# Altium PCB PowerSupply-Motherboard.PcbDoc (part 1 of 2) (continued)
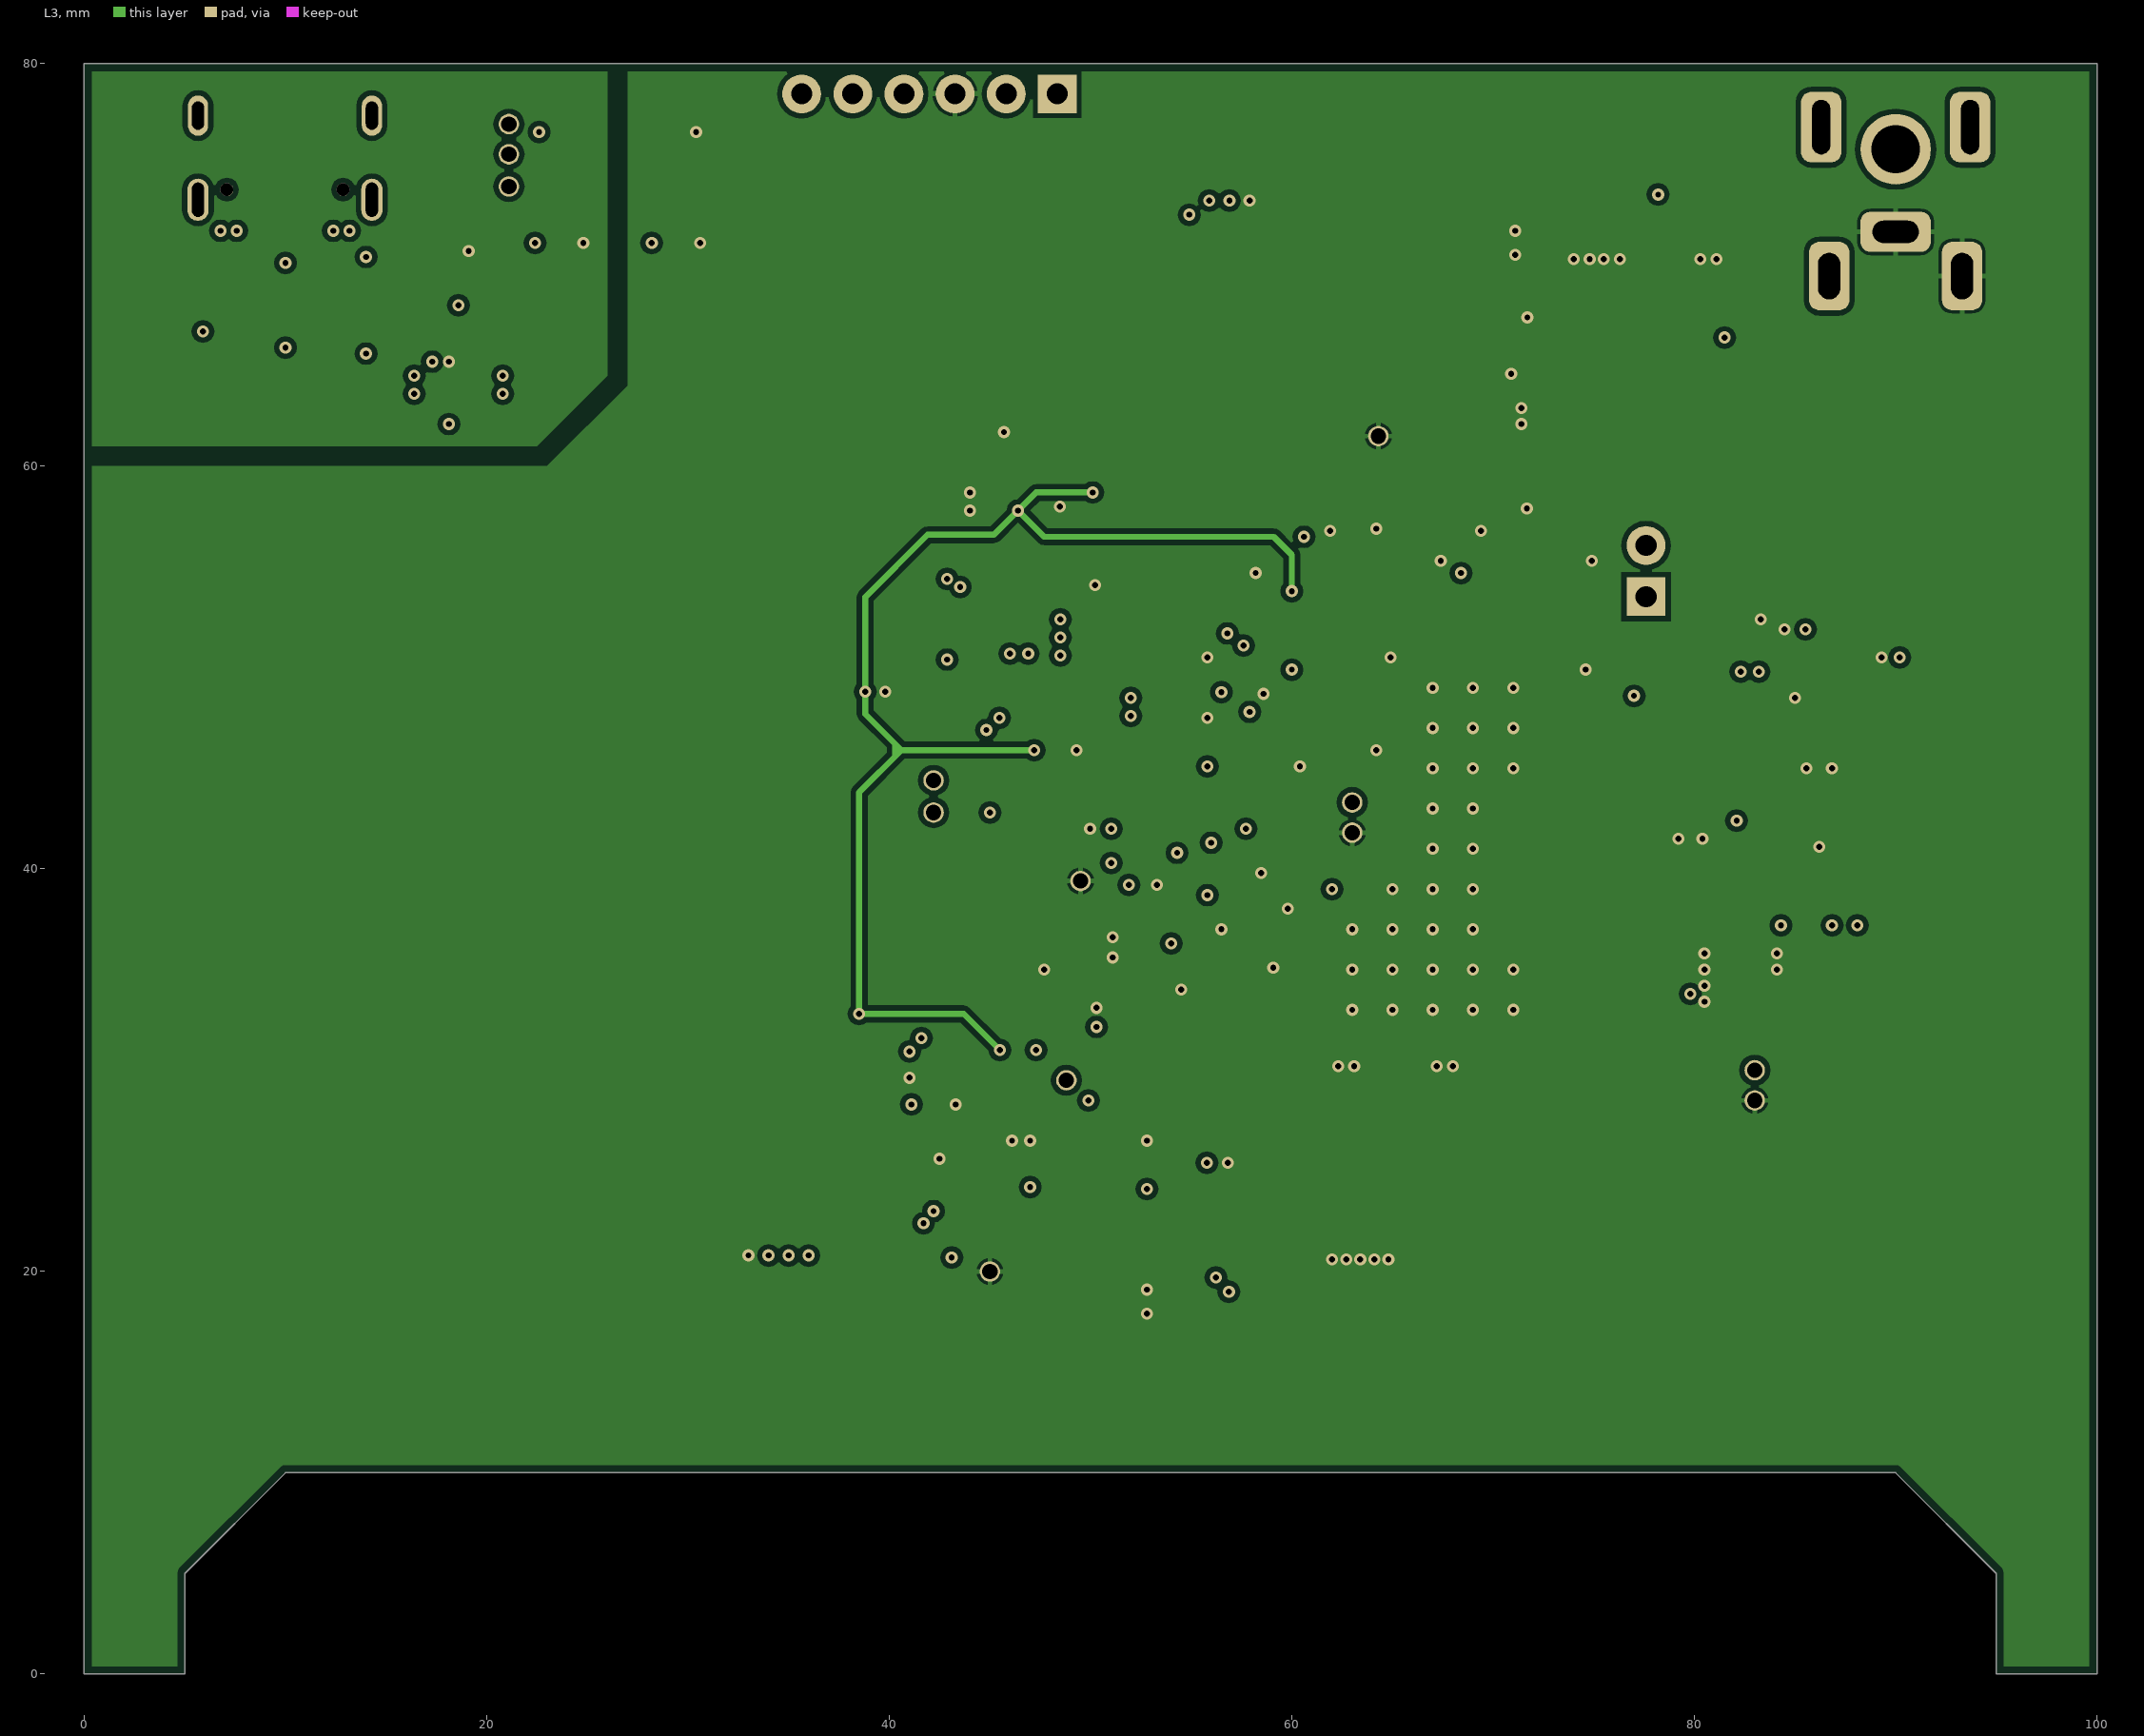
[diagram p3: L3]
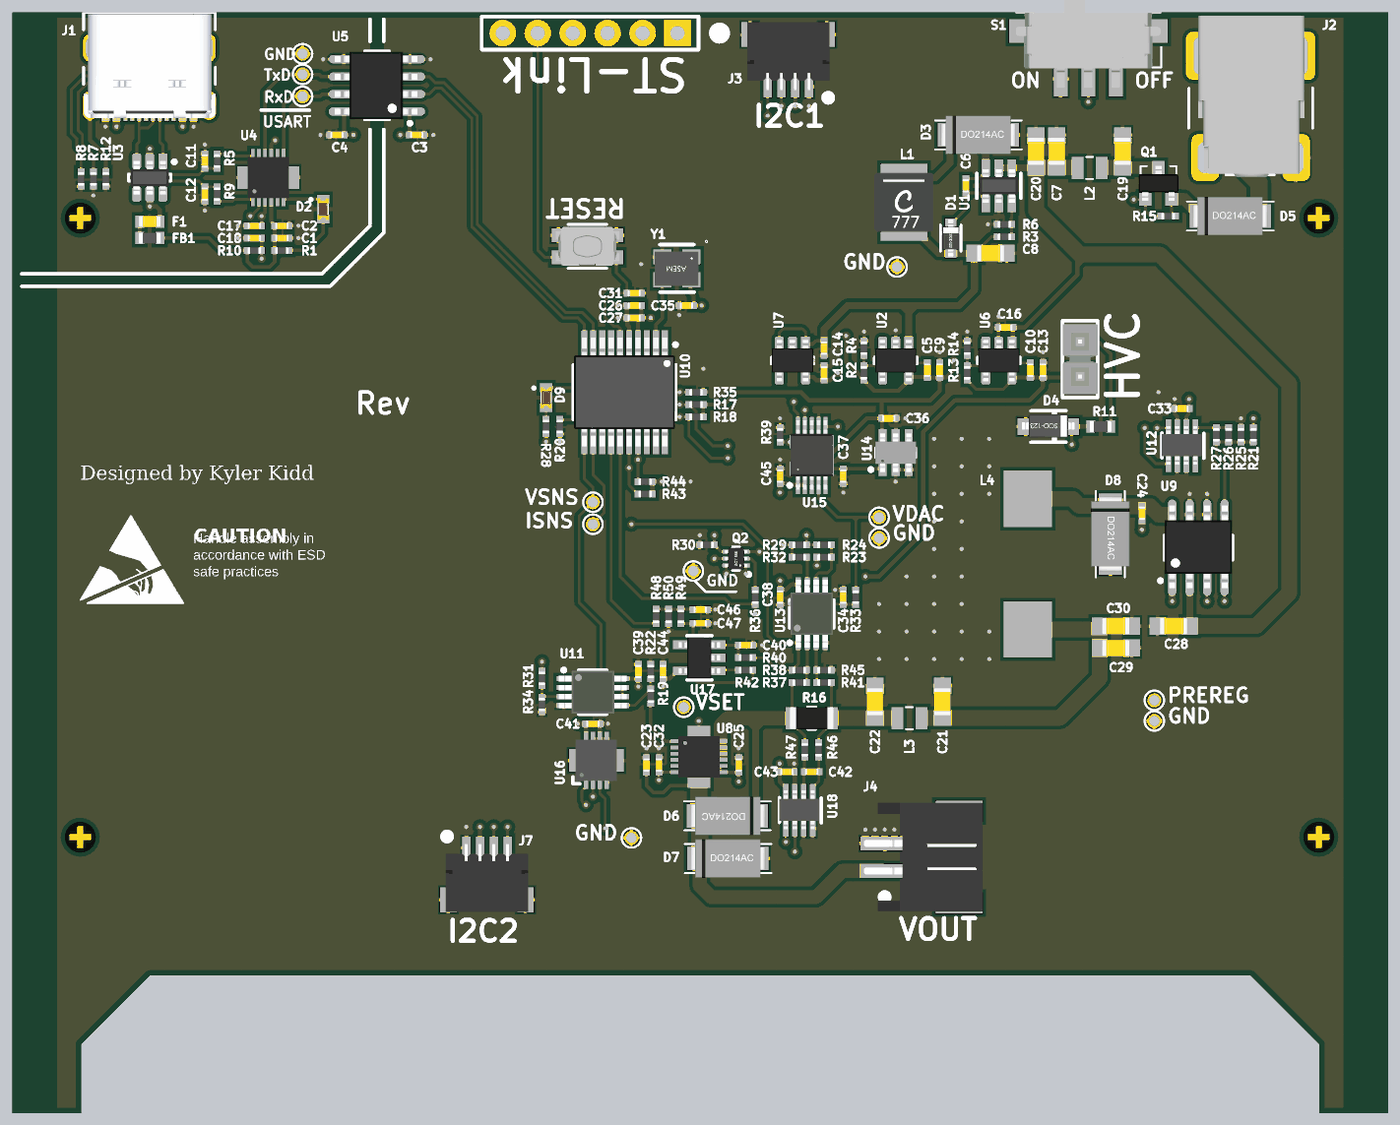
[diagram p5: 3D render of the assembled board from above, using the file's embedded part models]

## Layer stack, top to bottom
Top Solder: solder mask 0.0025, Solder Resist, Dk 0
L1: signal copper 0.0356
Prepeg: dielectric 0.1702, FR408, Dk 3.66
L2: signal copper 0.0178
Core: dielectric 1.1938, FR-4, Dk 3.66
L3: signal copper 0.0178
Prepeg: dielectric 0.1702, FR408, Dk 3.66
L4: signal copper 0.0356
Bottom Solder: solder mask 0.0025, Solder Resist, Dk 0

## Board outline
0,0 0,80 100,80 100,0 95,0 95,5 90,10 10,10 5,5 5,0

## Design rules (kind name [scope] priority, off if disabled: settings)
BoardOutlineClearance [All] p1: gap=0.381 ignorepadtopadclearanceinfootprint=FALSE
Clearance "Clearance Polygons" [InPolygon] p1: gap=0.254 ignorepadtopadclearanceinfootprint=FALSE except(0: Arc-Hole Track-Hole SMDPad-Hole THPad-Hole Via-Hole Fill-Hole Poly-Hole Region-Hole Text-Hole)
Clearance [All] p2: gap=0.127 ignorepadtopadclearanceinfootprint=FALSE except(0: Arc-Hole Track-Hole SMDPad-Hole THPad-Hole Via-Hole Fill-Hole Poly-Hole Region-Hole Text-Hole)
ComponentClearance "HM-TRP & UFL" [InComponent('X1') vs InComponent('U1')] p1: gap=0 collisioncheckmode=3 verticalgap=0 showdistances=FALSE
ComponentClearance [All] p2: gap=0.025 collisioncheckmode=3 verticalgap=0.025 showdistances=FALSE
DiffPairsRouting [All] p1: maxlimit=0.254 minlimit=0.254 mostfreqgap=0.254 toplayer_minwidth=0.152 toplayer_maxwidth=0.381 toplayer_prefwidth=0.381 midlayer1_minwidth=0.152 midlayer1_maxwidth=0.381 midlayer1_prefwidth=0.381 midlayer2_minwidth=0.152 midlayer2_maxwidth=0.381 midlayer2_prefwidth=0.381 bottomlayer_minwidth=0.152 bottomlayer_maxwidth=0.381 bottomlayer_prefwidth=0.381 maxuncoupledlength=12.7
HoleSize [All] p1: absolutevalues=TRUE maxlimit=6.731 minlimit=0.254 maxpercent=80.000 minpercent=20.000
HoleToHoleClearance [All] p1: gap=0.254 allowstackedmicrovias=FALSE
MinimumAnnularRing [All] p1: minimumring=0.102
MinimumSolderMaskSliver [All] p1: minsoldermaskwidth=0
PlaneClearance [All] p1: clearance=0.254
PlaneConnect [All] p1: planeconnectstyle=Relief reliefexpansion=0.102 reliefentries=4 reliefconductorwidth=0.152 reliefairgap=0.152
PolygonConnect "Via connect style" [isVia] p1: connectstyle=Direct reliefconductorwidth=0.254 reliefentries=4 polygonreliefangle="90 Angle" airgapwidth=0.254
PolygonConnect [All] p2: connectstyle=Relief reliefconductorwidth=0.254 reliefentries=4 polygonreliefangle="90 Angle" airgapwidth=0.152
RoutingCorners [All] p1: cornerstyle=45-Degree minsetback=1.25 maxsetback=1.25
RoutingVias [All] p1: holewidth=0.305 width=0.559 viastyle="Through Hole" minholewidth=0.254 minwidth=0.457 maxholewidth=2.54 maxwidth=2.896
SilkToSilkClearance [All] p1: silktosilkclearance=0
SilkToSolderMaskClearance [IsPad] p1: minsilkscreentomaskgap=0.076 clearancetoexposedcopper=TRUE
SolderMaskExpansion [All] p1: expansion=0.064
Width GND [InNet('GND')] p1: maxlimit=0.762 minlimit=0.203 preferedwidth=0.508
Width Power [InNetClass('Power')] p2: maxlimit=1.016 minlimit=0.508 preferedwidth=0.762
Width 3V3 [InNetClass('3V3')] p3: maxlimit=0.762 minlimit=0.254 preferedwidth=0.508
Width [All] p4: maxlimit=10.16 minlimit=0.152 preferedwidth=0.203
20 further rules are at their usual default settings.

## Classes and differential pairs
component class "USB to UART PHY": C2 C3 C4 C11 C12 C17 C18 D2 R1 R5 R9 R10 U4 U5
component class "USB Interface": F1 FB1 J1 R7 R8 R12 U3
component class "System Power Preregulator": C6 C7 D1 D3 L1 R3 R6 U1
component class "STM32 MCU": C1 C26 C27 C31 C35 C41 D9 J3 J6 J7 R17 R18 R28 R35 R43 R44 S2 U10 U16 Y1
component class "Power Supply Output and Control": C21 C22 C23 C24 C25 C29 C30 C32 C34 C36 C37 C38 C39 C40 C42 C43 C44 C45 C46 C47 D6 D7 J4 L3 Q2 R16 R19 R22 R23 R24 R29 R30 R31 R32 R33 R34 R36 R37 R38 R39 R40 R41 R42 R45 R46 R47 R48 R49 R50 TP1 TP2 TP3 TP4 U8 U11 U13 U14 U15 U17 U18
component class "Power Input": C19 C20 D5 J2 L2 Q1 R15 S1
component class "Output Preregulator": C28 C33 D8 L4 R20 R21 R25 R26 R27 U12
component class HVC: D4 J5 R11
component class "Analog VDD": C10 C13 C16 R13 R14 U6
component class "5.0V Regulator": C5 C8 C9 R2 R4 U2
component class "3.3V Regulator": C14 C15 U7
differential pair USB: +USB_P -USB_N

## Components (designator, comment, footprint, x,y, rotation, side; value= is the part's Value field where it differs from the comment)
C1 "2.2uF" 0402 19.6,63.6 r180 top
C2 "0.1uF" 0402 19.6,64.5 r180 top
C3 "0.1uF" 0402 29.4,71.1 r180 top
C4 "0.1uF" 0402 23.6,71.1 r0 top
C5 "0.01uF" 0402 66.5,54 r90 top
C6 "0.01uF" 0402 69.3,67.4 r270 top
C7 "22uF" 0805 75.9,69.9 r270 top
C8 "22uF" 0805 71.1,62.5 r180 top
C9 "2.2uF" 0402 67.4,54 r270 top
C10 "0.01uF" 0402 74,54 r90 top
C11 "47pF" 0402 14,69.2 r270 top
C12 "47pF" 0402 14,66.8 r90 top
C13 "2.2uF" 0402 74.9,54 r270 top
C14 "2.2uF" 0402 59,55.6 r90 top
C15 "2.2uF" 0402 59,53.8 r270 top
C16 "2.2uF" 0402 72.2,57.1 r0 top
C17 "0.1uF" 0402 17.6,64.5 r0 top
C18 "0.1uF" 0402 17.6,63.6 r0 top
C19 "22uF" 0805 80.7,69.9 r270 top
C20 "22uF" 0805 74.4,69.9 r270 top
C21 "22uF" 0805 67.6,29.9 r270 top
C22 "22uF" 0805 62.7,29.9 r270 top
C23 "2.2uF" 0402 46.1,25.3 r270 top
C24 "0.1uF" 0402 82.1,43.6 r270 top
C25 "2.2uF" 0402 52.8,25.3 r270 top
C26 "2.2uF" 0402 45.2,58.7 r0 top
C27 "0.1uF" 0402 45.2,57.8 r0 top
C28 "22uF" 0805 84.4,35.4 r0 top
C29 "22uF" 0805 80.2,33.8 r180 top
C30 "22uF" 0805 80.2,35.4 r180 top
C31 "0.1uF" 0402 45.2,59.6 r180 top
C32 "0.01uF" 0402 47,25.3 r270 top
C33 "0.1uF" 0402 85,51.2 r0 top
C34 "0.1uF" 0402 60.4,37.5 r270 top
C35 "0.01uF" 0402 49,58.7 r0 top
C36 "2.2uF" 0402 63.7,50.5 r180 top
C37 "DNP" 0402 60.4,46.3 r90 top
C38 "0.1uF" 0402 55.8,37.5 r90 top
C39 "0.1uF" 0402 45.5,32.1 r270 top
C40 "0.1uF" 0402 53.3,34 r180 top
C41 "0.1uF" 0402 42.2,28.3 r180 top
C42 "0.1uF" 0402 58.1,24.8 r0 top
C43 "0.1uF" 0402 56.3,24.8 r180 top
C44 "0.1uF" 0402 47.3,32.1 r270 top
C45 "0.1uF" 0402 55.8,46.3 r270 top
C46 "0.1uF" 0402 50,36.6 r180 top
C47 "0.1uF" 0402 50,35.6 r180 top
D1 "1N4148" SOD-323 68.2,63.6 r270 top
D2 "LED_GRN" 0603_LED_Red 22.6,65.7 r90 top
D3 "B240A-13-F" SMA 70.2,71.1 r180 top
D4 "BZT52-B7V5X" SOD-123 75.3,49.9 r0 top
D5 "B240A-13-F" SMA 88.5,65.2 r180 top
D6 "B240A-13-F" SMA 52,21.6 r0 top
D7 "SMAJE12AH" SMA 52,18.5 r180 top
D8 "B240A-13-F" SMA 79.8,42.1 r90 top
D9 "LED_GRN" 0603_LED_Red 38.8,52 r90 top
F1 "500mA PTC" 0603 10,64.8 r180 top
FB1 "Ferrite_Bead" 0603 10,63.6 r0 top
J1 "USB4105-GF-A" USB4105-GF-A 10,76 r180 top
J2 "PJ-047A" PJ-047A 90,74 r270 top
J3 "CCSH-W10R-04TR-BK-A" PCBCOMPONENT_1 59.8,79.3 r180 top
J4 "JST-PH-SMT" JST-PH-SMT 70.5,14.5 r90 top
J5 "TSW-102-xx-L-S" TSW-102-xx-L-S 77.6,54.8 r90 top
J6 "DNP" 801-93-006-10-012000 42,78.5 r180 top
J7 "CCSH-W10R-04TR-BK-A" PCBCOMPONENT_1 31.1,14.6 r0 top
L1 "10uH" XFL4020-xxxMEx 64.8,66.2 r270 top
L2 "2.2uH" 0806AZ 78.3,68.7 r180 top
L3 "2.2uH" 0806AZ 65.2,28.7 r180 top
L4 "10uH" WURTH_WE-LHMI 73.8,39.9 r270 top
Q1 "DMP3056L-7" SOT-23 83.3,67.575 r0 top
Q2 "NPN" SOT-666 52.6,40.3 r180 top
R1 "1k" 0402 19.6,62.7 r180 top
R2 "30.9k" 0402 61.9,53.8 r270 top
R3 "59k" 0402 72.1,63.7 r180 top
R4 "10k" 0402 61.9,55.6 r270 top
R5 "27" 0402 14.9,69.2 r90 top
R6 "10k" 0402 72.1,64.6 r0 top
R7 "5.1k" 0402 5.9,67.9 r90 top
R8 "5.1k" 0402 5,67.9 r90 top
R9 "27" 0402 14.9,66.8 r270 top
R10 "10k" 0402 17.6,62.7 r0 top
R11 "510" 0603 79.1,49.9 r0 top
R12 "0" 0402 6.8,67.9 r90 top
R13 "113k" 0402 69.4,53.8 r270 top
R14 "10k" 0402 69.4,55.6 r270 top
R15 "10k" 0402 84,65.2 r0 top
R16 "0.5" 1206 58.1,28.7 r180 top
R17 "2.7k" 0402 49.7,51.5 r0 top
R18 "2.7k" 0402 49.7,50.6 r0 top
R19 "24k" 0402 46.4,30.3 r270 top
R20 "10k" 0402 39.8,49.9 r90 top
R21 "10k" 0402 90.2,49.3 r90 top
R22 "9.1k" 0402 46.4,32.1 r270 top
R23 "10.2k" 0402 59,40.4 r0 top
R24 "51k" 0402 59,41.3 r180 top
R25 "6.34k" 0402 89.3,49.3 r270 top
R26 "DNP" 0402 88.4,49.3 r270 top
R27 "680" 0402 87.5,49.3 r270 top
R28 "1k" 0402 38.8,49.9 r270 top
R29 "100" 0402 57.2,41.3 r0 top
R30 "1k" 0402 50.5,41.3 r0 top
R31 "24k" 0402 38.5,31.6 r90 top
R32 "1k" 0402 57.2,40.4 r180 top
R33 "1k" 0402 61.3,37.5 r270 top
R34 "10.2k" 0402 38.5,29.7 r90 top
R35 "10k" 0402 49.7,52.4 r0 top
R36 "1k" 0402 54,37.5 r90 top
R37 "51k" 0402 57.2,31.3 r0 top
R38 "51k" 0402 57.2,32.2 r180 top
R39 "10k" 0402 55.8,49.3 r270 top
R40 "1k" 0402 53.3,33.1 r180 top
R41 "51k" 0402 59,31.3 r180 top
R42 "10k" 0402 53.3,32.2 r0 top
R43 "2.7k" 0402 46,45 r0 top
R44 "2.7k" 0402 46,45.9 r0 top
R45 "51k" 0402 59,32.2 r180 top
R46 "10" 0402 58.6,26.4 r270 top
R47 "10" 0402 57.6,26.4 r270 top
R48 "56k" 0402 46.8,36.1 r90 top
R49 "10k" 0402 48.6,36.1 r270 top
R50 "10k" 0402 47.7,36.1 r90 top
S1 "SS312SAH4-R" SW_SS312SAH4-R 78.2,76.7 r270 top
S2 "KMR243GLFG" "KMR 2 SERIES" 41.8,63 r180 top
TP1 "PREREG OUT" "30x40 TP"#1 82.9,29.6 r90 top
TP2 "SET" "30x40 TP"#2 48.8,29.5 r90 top
TP3 "DAC OUT" "30x40 TP"#2 63,43.3 r90 top
TP4 "ISENSE OUT" "30x40 TP"#2 42.2,42.8 r90 top
TP5 "DAC OUT" "30x40 TP"#3 63,44.9 r90 top
TP6 "DAC OUT" "30x40 TP"#2 83,28.5 r90 top
TP7 "ISENSE OUT" "30x40 TP"#2 42.2,44.4 r90 top
TP9 "DAC OUT" "30x40 TP"#4 45,22 r90 top
TP10 "DAC OUT" "30x40 TP"#5 49.5,42.1 r90 top
TP11 "DAC OUT" "30x40 TP"#6 64.5,64.2 r90 top
U1 "LMR12010" TSOT-23-6#1 71.7,67.4 r0 top
U2 "LT1761" SOT23-5 64.2,54.7 r270 top
U3 "USBLC6" SOT-23-6_N 10,68 r270 top
U4 "FT234XD" DFN-12 18.6,68 r0 top
U5 "MAX22421" SOIC-8 26.5,74.7 r180 top
U6 "LT1761" SOT23-5 71.7,54.7 r270 top
U7 "ADP121AUJZ-3.3-R7" SOT23-5 56.7,54.7 r270 top
U8 "LT3083" DFN-12 49.9,25.9 r270 top
U9 "ADP2303" "SOIC-8 EP" 86.2,41.1 r90 top
U10 "STM32G031F6P6" TSSOP-20 44.5,52.4 r270 top
U11 "MCP6L2T" MSOP-8 42.2,30.6 r270 top
U12 "AD5245" TSOT-8 84.999,48.5 r180 top
U13 "ADA4661-2" MSOP-8 58.1,36.3 r0 top
U14 "MCP1501T-20" TSOT-23-6#2 64.2,48 r90 top
U15 "MCP47CVB21" MSOP-10 58.1,47.8 r0 top
U16 "MCP9804" DFN-8 42.434,25.626 r0 top
U17 "MCP6546" TSOT-23-5 52.1,30.8 r90 top
U18 "INA219" TSOT-8 57.2,22 r180 top
Y1 "ASE-12.000-MHZ-E-T" ASE-XXXXX-X-X-X 48.3,61.4 r180 top

## Footprints (in the part's own frame and the unit in brackets; to place one, negate y for a bottom-side part, rotate by r counter-clockwise, add the part's x,y. Pads: shape width x height; smd on the part's side, far side on the other; paste and mask are expansions set on the pad)
"30x40 TP"#1 [mil]
  round 40 hole 30: 1(15.75,-3.94)
"30x40 TP"#2 [mil]
  round 40 hole 30: 1(0,0)
"30x40 TP"#3 [mil]
  round 40 hole 30: 1(-122.05,0)
"30x40 TP"#4 [mil]
  round 40 hole 30: 1(-78.74,0)
"30x40 TP"#5 [mil]
  round 40 hole 30: 1(-106.3,0)
"30x40 TP"#6 [mil]
  round 40 hole 30: 1(-106.3,7.87)
0402 [mm] "Chip Capacitor; Body 1.0 x 0.5 mm (LxW typ)"
  rect 0.5x0.5 smd mask+0.038: 1(-0.525,0) 2(0.525,0)
  body extent -0.5,-0.25 0.5,0.25, height 0.6
0603 [mm] "0603"
  rect 0.65x0.9 smd mask+0.038: 1(-0.725,0) 2(0.725,0)
  body extent -0.8,-0.4 0.8,0.4, height 0.95
0603_LED_Red [mm]
  rect 0.65x0.9 smd mask+0.038: 1(-0.725,0) 2(0.725,0)
  silkscreen extent 0.64,0.83 0.76,0.95, body extent -0.8,-0.4 0.8,0.4, height 0.6
801-93-006-10-012000 [mil] "CONN SOCKET STRIP LOPRO 0.100 PITCH 6POS"
  rect 76x76 hole 41 mask+1.5: 1(-250,0)
  round 76 hole 41 mask+1.5: 2(-150,0) 3(-50,0) 4(50,0) 5(150,0) 6(250,0)
  silkscreen extent -310,-48 310,48, body extent -310,-48 310,48, height 165
0805 [mm] "Chip Capacitor; Body 2.0 x 1.2 mm (LxW typ)"
  rect 1.15x1.25 smd mask+0.038: 1(-1.175,0) 2(1.175,0)
  body extent -1,-0.6 1,0.6, height 1.27
0806AZ [mm] "2.0 X 1.6 MM LOW PROFILE INDUCTOR"
  rect 0.85x1.6 smd mask+0.038: 1(-0.875,0) 2(0.875,0)
  silkscreen extent -0.25,-0.8 0.25,0.8, body extent -1,-0.8 1,0.8, height 1
1206 [mm] "Chip Resistor; Body 3.1 x 1.6 mm (LxW typ)"
  rect 0.9x1.6 smd mask+0.038: 1(-1.45,0) 2(1.45,0)
  silkscreen extent -0.3,-0.8 0.3,0.8, body extent -1.6,-0.8 1.6,0.8, height 0.7
ASE-XXXXX-X-X-X [mil] "OSC XO x.xxxMHZ CMOS SMD"
  rect 51x43 smd mask+1.5: 1(-41.5,-32.5) 2(41.5,-32.5) 3(41.5,32.5) 4(-41.5,32.5)
  silkscreen extent -50,-68 49,68, body extent -62,-48 64,50, height 34
DFN-8 [mm]
  rect 0.3x1 smd mask+0.038: 1(-0.734,-1.576) 2(-0.234,-1.576) 3(0.266,-1.576) 4(0.766,-1.576) 5(0.766,1.574) 6(0.266,1.574) 7(-0.234,1.574) 8(-0.734,1.574)
  rect 4x1.65 smd mask+0.038: 9(0.016,-0.001)
  silkscreen extent -1.68,-1.7 -1.18,-1.2, body extent -1.5,-1.51 1.5,1.51, height 0.8
DFN-12 [mm]
  rect 0.27x1 smd mask+0.038: 1(-1.125,-1.575) 2(-0.675,-1.575) 3(-0.225,-1.575) 4(0.225,-1.575) 5(0.675,-1.575) 6(1.125,-1.575) 7(1.125,1.575) 8(0.675,1.575) 9(0.225,1.575) 10(-0.225,1.575) 11(-0.675,1.575) 12(-1.125,1.575)
  rect 4.5x1.65 smd mask+0.038: 13(0,0)
  body extent -1.5,-1.5 1.5,1.5, height 0.76
JST-PH-SMT [mm]
  rect 1x3.5 smd: 1(3.1,7.1) 2(5.1,7.1)
  rect 1.5x3.4 smd: S1(0.75,1.7) S2(7.45,1.7)
  silkscreen extent 1,6.9 1.4,7.3, body extent 0.15,0 8.05,8.6, height 4.8
"KMR 2 SERIES" [mm]
  rect 1x1 smd: 1(-2.1,0.8) 1(2.1,0.8) 2(-2.1,-0.8) 2(2.1,-0.8)
  silkscreen extent -1.4,-1.6 1.4,1.6, body extent -2.3,-1.4 2.3,1.4, height 1.92
MSOP-8 [mm]
  rect 0.38x1.04 smd mask+0.038: 1(-0.975,-2.12) 2(-0.325,-2.12) 3(0.325,-2.12) 4(0.975,-2.12) 5(0.975,2.12) 6(0.325,2.12) 7(-0.325,2.12) 8(-0.975,2.12)
  silkscreen extent -1.72,-2.24 1.6,1, body extent -1.55,-2.47 1.55,2.47, height 1.09
MSOP-10 [mm]
  rect 0.3x1.3 smd mask+0.038: 1(-1,-2.15) 2(-0.5,-2.15) 3(0,-2.15) 4(0.5,-2.15) 5(1,-2.15) 6(1,2.15) 7(0.5,2.15) 8(0,2.15) 9(-0.5,2.15) 10(-1,2.15)
  silkscreen extent -1.72,-2.3 1.5,1.45, body extent -1.55,-2.49 1.55,2.57, height 1.09
PCBCOMPONENT_1 [mm]
  rect 0.6x1.55 smd: 1(1.9,4.7) 2(2.9,4.7) 3(3.9,4.7) 4(4.9,4.7)
  rect 1.2x1.8 smd: S1(0.6,0.9) S2(6.2,0.9)
  silkscreen extent 0.3,5.3 0.7,5.7, body extent 0.4,0 6.4,4.96, height 3.25
PJ-047A [mm] "CON PWR JCK 2.0 X 6.0MM W/SHLD"
  round 3.5 hole 2.4 mask+0.038: 0(-1.75,0)
  rrect50% 3.4x2 hole 1.1 slot 2.3 at 0 deg mask+0.038: 1(4.55,-3.3) 3(4.55,3.3)
  rrect50% 2x3.5 hole 1.1 slot 2.3 at 90 deg mask+0.038: 2(2.35,0)
  rrect50% 3.5x2 hole 0.9 slot 2.7 at 0 deg mask+0.038: 4(-2.85,-3.7) 5(-2.85,3.7)
  silkscreen extent -0.5,-4.5 5.8,4.5, body extent -5.77,-3.8 5.97,3.9, height 9.8
SMA [mm]
  rect 1.8x1.7 smd: 1(-2.068,0) 2(2.032,0)
  silkscreen extent -3.17,-1.08 3.13,1.05, body extent -2.74,-1.4 2.74,1.4, height 2.31
SOD-123 [mil]
  rect 46x48 smd: 1(-65,0) 2(65,0)
  silkscreen extent -50,-45 50,45, body extent -76,-32 76,35, height 56
SOD-323 [mm] "SOD-323/SC-76; 2 Leads; Body 1.7 x 1.3 mm, (LxW)"
  rect 0.63x0.83 smd: 1(1.115,0) 2(-1.115,0)
  silkscreen extent -0.95,-0.75 0.95,0.75, body extent -1.35,-0.63 1.35,0.62, height 1.1
SOIC-8 [mm] "8SOIC 3.9mm width"
  oval 2.2x0.6 smd mask+0.038: 1(-2.4,1.905) 2(-2.4,0.635) 3(-2.4,-0.635) 4(-2.4,-1.905) 5(2.4,-1.905) 6(2.4,-0.635) 7(2.4,0.635) 8(2.4,1.905)
  silkscreen extent -2.53,-2.5 0.9,2.88, body extent -2.95,-2.45 3.05,2.45, height 1.75
"SOIC-8 EP" [mm]
  oval 2.2x0.6 smd mask+0.038: 1(-2.404,1.905) 2(-2.404,0.635) 3(-2.404,-0.635) 4(-2.404,-1.905) 5(2.396,-1.905) 6(2.396,-0.635) 7(2.396,0.635) 8(2.396,1.905)
  rect 2x2 smd mask+0.038: 9(0,0)
  silkscreen extent -2.53,-2.5 0.9,2.88, body extent -2.95,-2.45 3.05,2.45, height 1.75
SOT23-5 [mm] "SOT23, 5-Leads, Body 2.9x1.6mm, Pitch 0.95mm, Lead Span 2.8mm, IPC Medium Density"
  rect 1.1x0.65 smd mask+0.038: 1(-1.2,0.95)
  rrect50% 1.1x0.65 smd mask+0.038: 2(-1.2,0) 3(-1.2,-0.95) 4(1.2,-0.95) 5(1.2,0.95)
  silkscreen extent -0.25,-1.55 0.25,1.55, body extent -1.5,-1.5 1.5,1.5, height 1.47
SOT-23 [mm] "SOT-23"
  rect 0.9x0.95 smd mask+0.038: 1(-0.95,-1.15) 2(0,1.15) 3(0.95,-1.15)
  silkscreen extent -1.3,-0.37 1.3,1.25, body extent -1.46,-1.27 1.46,1.27, height 0.98
SOT-23-6_N [mm] "6-Leads, Body 2.9x1.6mm, Pitch 0.95mm, Lead Span 2.7mm, IPC Medium Density"
  rect 1.1x0.65 smd mask+0.038: 1(-1.2,0.95)
  rrect50% 1.1x0.65 smd mask+0.038: 2(-1.2,0) 3(-1.2,-0.95) 4(1.2,-0.95) 5(1.2,0) 6(1.2,0.95)
  silkscreen extent -1.27,-1.55 0.25,1.9, body extent -1.2,-1.4 1.23,1.4, height 1.09
SOT-666 [mm] "6-Leads, Body 1.7x1.3mm, Pitch 0.5mm, Lead Span 1.7mm, IPC Medium Density"
  rect 0.6x0.3 smd mask+0.038: 1(-0.7,0.5)
  rrect50% 0.6x0.3 smd mask+0.038: 2(-0.7,0) 3(-0.7,-0.5) 4(0.7,-0.5) 5(0.7,0) 6(0.7,0.5)
  silkscreen extent -1.05,-0.85 0.25,1.28, body extent -0.8,-0.8 0.8,0.8, height 0.6
SW_SS312SAH4-R [mm]
  rect 2.55x1 smd: 1(1.525,-2) 2(1.525,0) 3(1.525,2)
  rect 1.7x1.7 smd: 4(-1.95,-4.9) 5(-1.95,4.9)
  silkscreen extent -3.3,-5.25 0.7,5.3, body extent -5.29,-5.25 2.16,5.25, height 3
TSOT-8 [mm]
  rect 0.4x1.22 smd mask+0.038: 1(-0.975,-1.31) 2(-0.325,-1.31) 3(0.325,-1.31) 4(0.975,-1.32) 5(0.975,1.3) 6(0.325,1.31) 7(-0.325,1.31) 8(-0.975,1.31)
  silkscreen extent -1.6,-0.93 1.45,0.9, body extent -1.44,-1.44 1.46,1.36, height 1
TSOT-23-5 [mm]
  rect 0.62x1.22 smd mask+0.038: 1(1.34,0.85) 2(2.29,0.85) 3(3.24,0.85) 4(3.24,3.47) 5(1.34,3.47)
  silkscreen extent 0.69,1.26 3.89,3.06, body extent 0.79,0.66 3.79,3.66, height 1.46
TSOT-23-6#1 [mm] "6-LEAD PLASTIC TSOT-23"
  rect 0.62x1.22 smd mask+0.038: 1(-0.95,-1.31) 2(0,-1.31) 3(0.95,-1.31) 4(0.95,1.31) 5(0,1.31) 6(-0.95,1.31)
  silkscreen extent -1.6,-0.9 1.6,0.9, body extent -1.4,-1.23 1.4,1.2, height 1.09